# Altium PCB GameBoard_V1I1_Phase1.PcbDoc (part 14 of 18)
Units mm, origin at the board's own origin, x right, y up, seen from the top; angles counter-clockwise.
Board outline 182 x 70.2 mm, 12 copper layers (L1, L2, L3, L4, L5 (PWR), L6 (PWR), L7 (PWR), L8 (PWR), L9, L10, L11, L12), stack 2.079 mm thick; 1542 components, 1068 nets, 5447 pads, 3805 vias.
Unrouted connection lines stored in the file: 2.
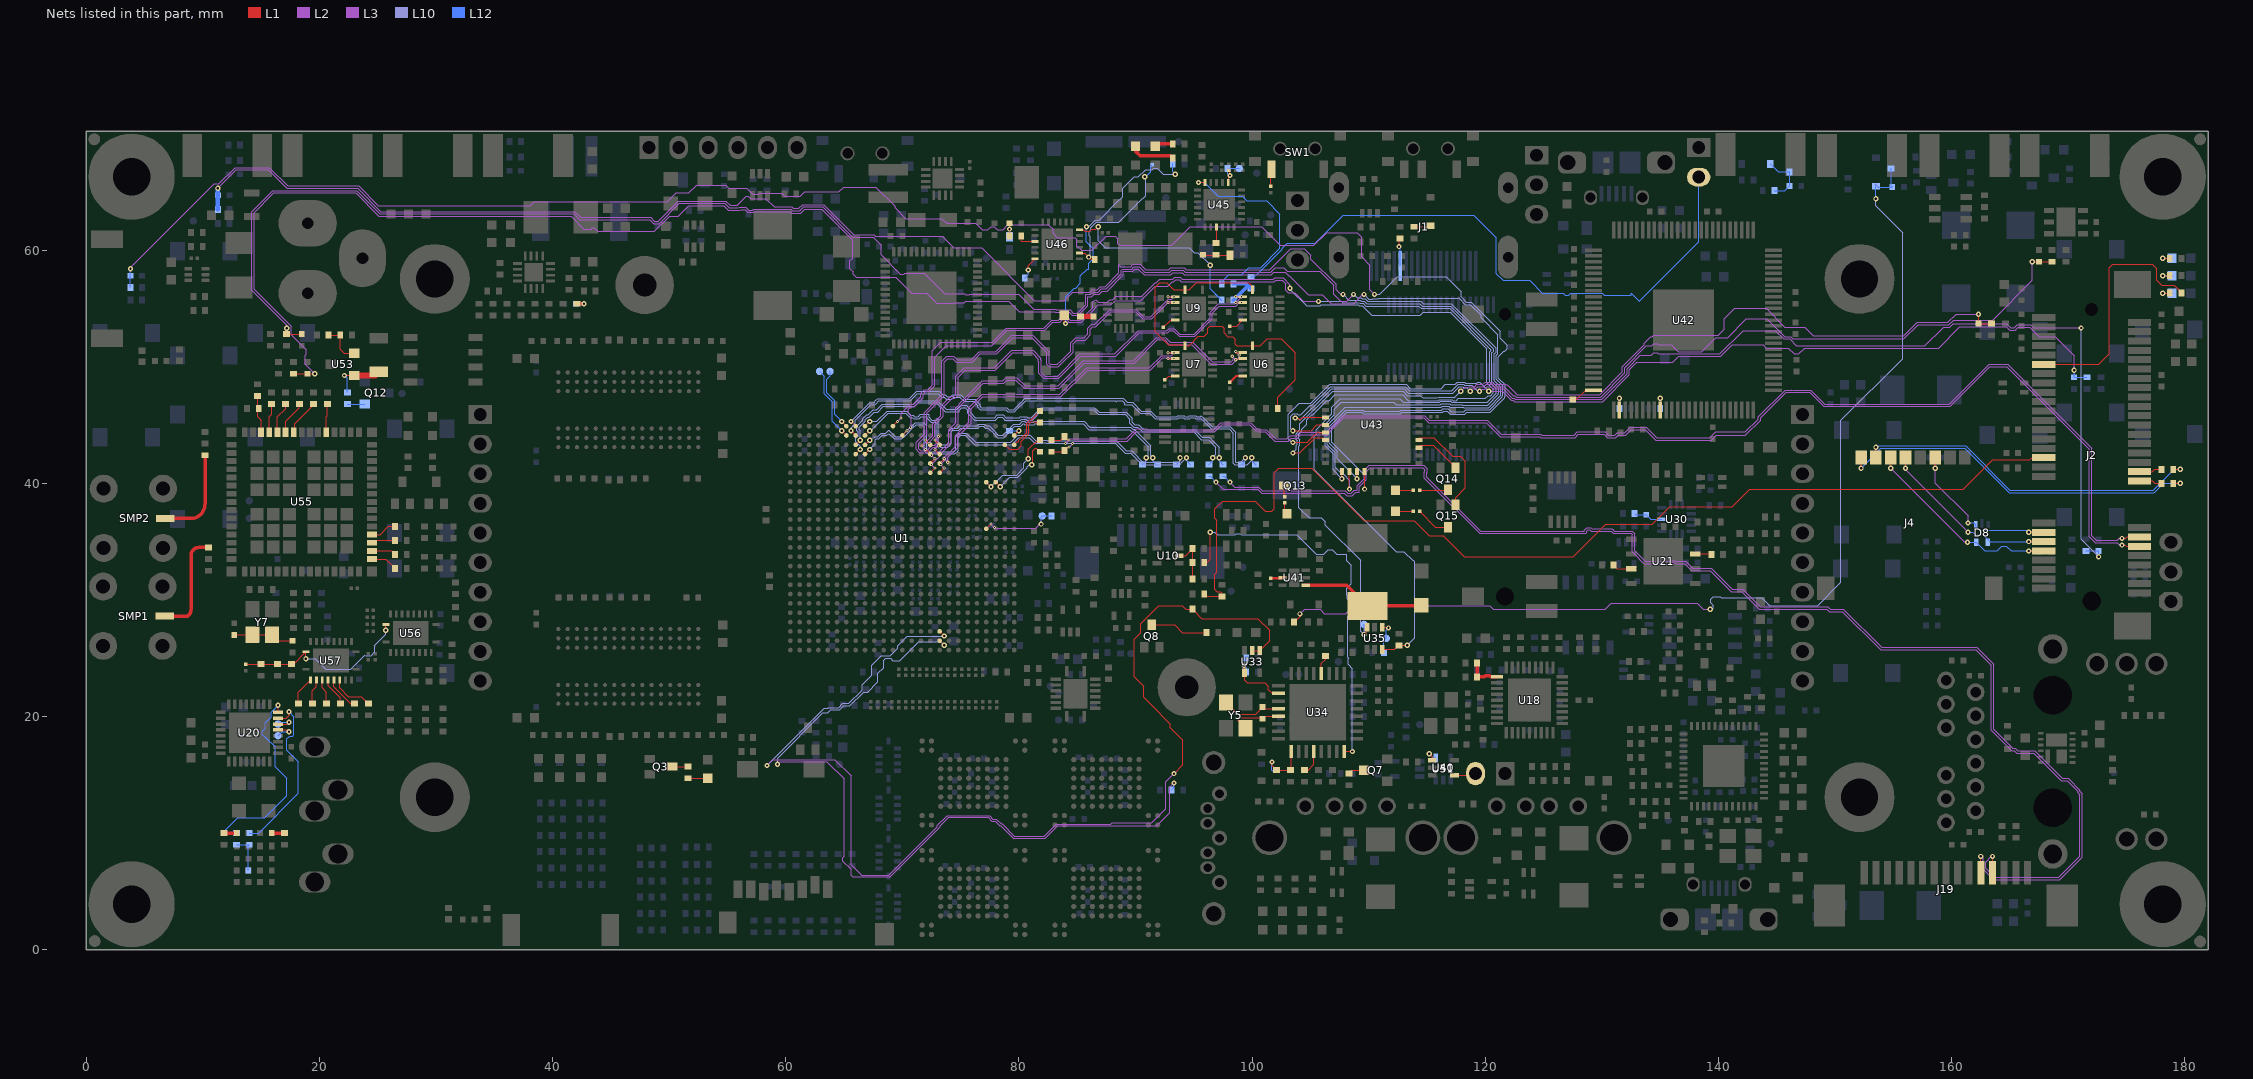
[diagram p24: the nets of this part, all layers, seen from the top]

## Via types
v1: diameter 0.45, hole 0.2, L1 to L12, 1937 vias
v2: diameter 0.45, hole 0.2, L1 to L12, tented both sides, 1004 vias
v3: diameter 0.27, hole 0.1, L1 to L2, 337 vias
v4: diameter 0.27, hole 0.1, L2 to L3, 335 vias
v5: diameter 0.27, hole 0.1, L10 to L11, 96 vias
v6: diameter 0.27, hole 0.1, L11 to L12, 94 vias
v7: diameter 0.27, hole 0.1, L3 to L5 (PWR), 2 vias

## Nets (pads, with @x,y where several pads share a name; then routed paths per layer and width w, separated by ;. In a path a pad name is that pad's centre, name@x,y a point inside that pad or via, vN(x,y) a via of type N, cw(c..) or ccw(c..) an arc to the next point about the centre after c; other vN are vias at no path point) (continued)
LED_MPCIE_WWAN: J2.42 R154.1 | length 21.4
  L1 w0.1: J2.42@167.9,50.2 172.6,50.2 173.5,51.1 173.5,58.5 173.8,58.8 177.2,58.8 177.6,58.4 177.6,57.4 178,57 179.1,57 179.7,56.4 R154.1@179.7,56.3
LED_SW: D27.2 L10.2 U41.4 | length 10.7
  L1 w0.3: U41.4@104.595,31.25 108.129,31.25 L10.2@109.9,29.479 114.454,29.479 D27.2@114.5,29.525
"LOCAL_PWR / NON_REM0": R190.2 R194.2 U18.28 | length 3
  L1 w0.3: R190.2@119.3,24.6 R194.2@119.3,23.4 119.928,23.4 120.003,23.475 120.397,23.475 120.472,23.4 U18.28@121,23.4
LVDS0_CLK_N: R462.1 U1.V4 | length 39.8
  L1 w0.093: U1.V4@66,42.5 v2(66.4,42.9)
  L10 w0.1: v2(66.4,42.9) 66.4,43.17 66.025,43.545 66.025,43.855 66.2,44.03 66.2,44.417 66.1,44.517 66.1,44.883 66.625,45.408 66.625,45.538 66.962,45.875 67.092,45.875 67.517,46.3 67.8,46.3 68.3,46.8 70.987,46.8 71.287,47.1 73,47.1 73.762,46.338 74.675,46.338 75.012,46.675 75.488,46.675 75.825,46.338 75.825,46.075 76.275,45.625 77.912,45.625 78.162,45.875 78.638,45.875 78.888,45.625 80.057,45.625 80.132,45.7 80.67,45.7 80.745,45.625 81.055,45.625 81.93,46.5 86.483,46.5 86.883,46.1 88.5,46.1 ; 88.524,46.1 89.2,46.1 89.735,45.565 89.725,45.555 89.725,45.245 89.945,45.025 90.255,45.025 90.265,45.035 90.7,44.6 95.083,44.6 95.741,43.941 96.345,43.941 97.175,43.112 v1(97.175,42.2)
  L12 w0.1: v1(97.175,42.2) 97.175,41.925 R462.1@97.5,41.6
LVDS0_CLK_P: R464.1 U1.V3 | length 38.3
  L1 w0.093: U1.V3@66,43.3 v2(66.4,43.7)
  L10 w0.1: v2(66.4,43.7) 66.4,44.5 66.3,44.6 66.3,44.8 66.5,45 66.825,45.325 66.825,45.455 67.045,45.675 67.175,45.675 67.6,46.1 67.883,46.1 68.383,46.6 71.07,46.6 71.37,46.9 72.917,46.9 73.679,46.138 74.875,46.138 74.875,46.255 75.095,46.475 75.405,46.475 75.625,46.255 75.625,45.992 76.192,45.425 78.025,45.425 78.025,45.455 78.245,45.675 78.555,45.675 78.775,45.455 78.775,45.425 80.14,45.425 80.215,45.5 80.587,45.5 80.662,45.425 81.138,45.425 82.013,46.3 86.4,46.3 86.8,45.9 89.117,45.9 89.525,45.492 89.525,45.162 89.862,44.825 90.192,44.825 90.276,44.741 90.617,44.4 95,44.4 95.659,43.741 96.263,43.741 96.9,43.104 96.9,42.475 v1(96.625,42.2)
  L12 w0.1: R464.1@96.3,41.6 96.625,41.925 v1(96.625,42.2)
LVDS0_CLK_R_N: J19.11 R461.2 R462.2 | length 110.4
  L1 w0.1: J19.11@162.5,6.6 v1(162.5,8)
  L3 w0.1: v1(98.1,40.1) 98.525,39.675 100.559,39.675 100.89,39.345 107.975,39.345 108.195,39.125 108.505,39.125 108.725,39.345 108.725,39.417 109,39.417 109,39.783 109.6,40.383 109.6,41.083 110.052,41.535 114.701,41.535 115,41.236 115,40.905 114.985,40.89 114.985,40.515 119.6,35.9 128.483,35.9 128.483,35.966 128.717,36.2 129.049,36.2 129.166,36.083 130.883,36.083 131.066,35.9 132.583,35.9 132.8,35.683 132.8,34.2 133.7,33.3 135.787,33.3 135.862,33.375 136.338,33.375 136.413,33.3 137.2,33.3 137.8,32.7 139.383,32.7 141.183,30.9 142.083,30.9 143.583,29.4 149.383,29.4 149.583,29.2 150.7,29.2 153.983,25.917 162.166,25.917 163.6,24.483 163.6,18.9 165.225,17.275 165.438,17.275 165.658,17.055 167.128,17.055 169.483,14.7 169.983,14.7 171,13.683 171,13.569 171.2,13.369 171.2,7.917 169.283,6 163.417,6 163.3,6.117 163.3,6.317 162.7,6.917 162.7,7.8 v1(162.5,8)
  L12 w0.1: R461.2@97.5,40.6 97.6,40.6 v1(98.1,40.1)
LVDS0_CLK_R_P: J19.12 R463.2 R464.2 | length 111
  L1 w0.1: J19.12@163.5,6.6 v1(163.5,8)
  L3 w0.1: v1(96.9,40.1) 97.525,39.475 100.476,39.475 100.807,39.145 107.892,39.145 108.112,38.925 108.588,38.925 108.88,39.217 109.2,39.217 109.2,39.7 109.8,40.3 109.8,41 110.135,41.335 114.618,41.335 114.8,41.153 114.8,40.987 114.785,40.972 114.785,40.432 119.517,35.7 128.617,35.7 128.683,35.766 128.683,35.883 128.8,36 128.966,36 129.083,35.883 130.8,35.883 130.983,35.7 132.5,35.7 132.6,35.6 132.6,34.117 132.8,33.917 133.517,33.2 133.617,33.1 135.87,33.1 135.945,33.175 136.255,33.175 136.33,33.1 137.117,33.1 137.717,32.5 139.3,32.5 141.1,30.7 142,30.7 143.5,29.2 149.3,29.2 149.5,29 150.617,29 153.9,25.717 162.083,25.717 163.4,24.4 163.4,18.817 165.142,17.075 165.355,17.075 165.575,16.855 167.045,16.855 169.4,14.5 169.9,14.5 170.8,13.6 170.8,13.486 171,13.286 171,8 169.2,6.2 163.5,6.2 163.5,6.4 162.9,7 162.9,7.5 163.4,8 v1(163.5,8)
  L12 w0.1: R463.2@96.3,40.6 96.4,40.6 v1(96.9,40.1)
LVDS0_TX0_N: R444.1 U1.U2 | length 32.4
  L1 w0.093: U1.U2@66.8,44.1 v2(67.2,44.5)
  L10 w0.1: v2(67.2,44.5) 67.283,44.5 68.783,46 70.325,46 70.325,45.962 70.662,45.625 70.862,45.625 70.962,45.525 71.438,45.525 71.613,45.7 72.125,45.7 72.125,45.562 72.462,45.225 72.9,45.225 72.9,43.5 73.3,43.1 73.883,43.1 74.2,43.417 74.2,44.4 74.333,44.533 74.833,44.533 75.025,44.725 76.495,44.725 76.645,44.875 76.955,44.875 77.105,44.725 77.375,44.725 77.825,44.275 77.825,44.262 78.162,43.925 78.708,43.925 79.658,44.875 80.155,44.875 80.38,45.1 80.421,45.1 80.496,45.025 81.304,45.025 81.379,45.1 85.5,45.1 86,44.6 89.521,44.6 89.696,44.425 89.792,44.425 91.1,43.117 91.1,42.375 v1(90.925,42.2)
  L12 w0.1: R444.1@90.6,41.6 90.925,41.925 v1(90.925,42.2)
LVDS0_TX0_P: R446.1 U1.U1 | length 32.8
  L1 w0.093: U1.U1@66.8,44.9 v2(67.2,45.3)
  L10 w0.1: v2(67.2,45.3) 67.8,45.3 68.7,46.2 70.525,46.2 70.525,46.045 70.745,45.825 70.945,45.825 71.045,45.725 71.355,45.725 71.53,45.9 72.325,45.9 72.325,45.645 72.545,45.425 72.855,45.425 73.007,45.576 73.1,45.483 73.1,43.583 73.383,43.3 73.8,43.3 74,43.5 74,44.483 74.25,44.733 74.75,44.733 74.942,44.925 76.412,44.925 76.562,45.075 77.038,45.075 77.188,44.925 77.458,44.925 78.025,44.358 78.025,44.345 78.245,44.125 78.625,44.125 79.475,44.975 79.575,45.075 80.072,45.075 80.297,45.3 80.504,45.3 80.579,45.225 81.221,45.225 81.296,45.3 85.583,45.3 86.083,44.8 89.604,44.8 89.779,44.625 89.875,44.625 91.3,43.2 91.3,42.375 v1(91.475,42.2)
  L12 w0.1: v1(91.475,42.2) 91.475,41.925 R446.1@91.8,41.6
LVDS0_TX1_N: R448.1 U1.U4 | length 35.3
  L1 w0.093: U1.U4@66.8,42.5 v2(67.2,42.9)
  L10 w0.1: v2(67.2,42.9) 67.7,43.4 67.7,43.739 67.761,43.8 67.983,43.8 68.283,44.1 68.683,44.1 68.841,44.259 69.3,43.8 69.97,43.8 70.245,44.075 71.045,44.875 71.075,44.875 71.2,45 71.75,45 71.9,44.85 71.9,42.8 72.186,42.514 74.514,42.514 74.8,42.8 74.8,43.917 74.983,44.1 75.417,44.1 76.217,43.3 79.383,43.3 79.983,43.9 80.883,43.9 81.341,43.441 82.038,43.441 82.082,43.485 82.318,43.485 82.362,43.441 88.276,43.441 89.139,42.578 89.6,42.578 90.51,41.668 90.644,41.668 90.687,41.625 90.724,41.625 90.749,41.6 93.783,41.6 94.025,41.842 94.025,41.85 v1(94.375,42.2)
  L12 w0.1: v1(94.375,42.2) 94.375,41.925 R448.1@94.7,41.6
LVDS0_TX1_P: R450.1 U1.U3 | length 34.5
  L1 w0.093: U1.U3@66.8,43.3 v2(67.2,43.7)
  L10 w0.1: v2(67.2,43.7) 67.403,43.904 67.581,43.904 67.678,44 67.9,44 68.2,44.3 68.6,44.3 68.841,44.541 69.383,44 69.887,44 70.162,44.275 70.962,45.075 70.992,45.075 71.117,45.2 71.833,45.2 72.1,44.933 72.1,42.883 72.269,42.714 74.431,42.714 74.6,42.883 74.6,44 74.9,44.3 75.5,44.3 76.3,43.5 79.3,43.5 79.9,44.1 80.966,44.1 81.424,43.641 81.956,43.641 81.999,43.685 82.401,43.685 82.444,43.641 88.359,43.641 89.222,42.778 89.683,42.778 89.717,42.744 89.8,42.744 89.8,42.661 90.593,41.868 90.727,41.868 90.77,41.825 90.807,41.825 90.832,41.8 93.7,41.8 93.825,41.925 v1(93.825,42.2)
  L12 w0.1: R450.1@93.5,41.6 93.825,41.925 v1(93.825,42.2)
LVDS0_TX2_N: R455.1 U1.V2 | length 43
  L1 w0.093: v2(65.6,44.5) U1.V2@66,44.1
  L10 w0.1: v2(65.6,44.5) 65.6,44.77 65.975,45.145 65.975,45.392 67.308,46.725 67.638,46.725 67.755,46.842 67.975,47.062 70.662,47.062 71.3,47.7 73.1,47.7 73.4,47.4 73.587,47.4 73.762,47.225 74.238,47.225 74.413,47.4 74.917,47.4 75.297,47.02 76.117,47.02 76.469,46.669 76.469,46.531 76.7,46.3 78.887,46.3 79.062,46.125 79.625,46.125 79.743,46.243 80.575,47.075 88.283,47.075 88.364,46.994 88.445,47.075 88.855,47.075 89.075,46.855 89.075,46.739 89.661,46.739 90.4,46 91.217,46 91.692,45.525 93.638,45.525 93.713,45.6 94.087,45.6 94.162,45.525 94.638,45.525 94.713,45.6 95.087,45.6 95.162,45.525 95.622,45.525 96.482,44.665 98.035,44.665 98.4,44.3 98.4,42.017 98.404,42.014 98.404,41.731 98.531,41.604 98.814,41.604 98.817,41.6 99.583,41.6 99.975,41.992 v1(99.975,42.2)
  L12 w0.1: v1(99.975,42.2) 99.975,41.925 R455.1@100.3,41.6
LVDS0_TX2_P: R460.1 U1.V1 | length 41.6
  L1 w0.093: v2(65.6,45.3) U1.V1@66,44.9
  L10 w0.1: v2(65.6,45.3) 67.225,46.925 67.555,46.925 67.775,47.145 67.892,47.262 70.579,47.262 71.217,47.9 73.183,47.9 73.483,47.6 73.67,47.6 73.845,47.425 74.155,47.425 74.33,47.6 75,47.6 75.38,47.22 76.28,47.22 76.317,47.183 76.317,47.103 76.669,46.751 76.669,46.614 76.783,46.5 78.97,46.5 79.145,46.325 79.542,46.325 80.317,47.1 80.492,47.275 88.938,47.275 89.274,46.939 89.744,46.939 90.483,46.2 91.3,46.2 91.775,45.725 93.555,45.725 93.63,45.8 94.17,45.8 94.245,45.725 94.555,45.725 94.63,45.8 95.17,45.8 95.245,45.725 95.555,45.725 95.63,45.8 96.565,44.865 98.118,44.865 98.6,44.383 98.6,42.1 98.604,42.096 98.604,41.814 98.614,41.804 98.897,41.804 98.9,41.8 99.025,41.8 v1(99.425,42.2)
  L12 w0.1: R460.1@99.1,41.6 99.425,41.925 v1(99.425,42.2)
LVDS0_TX3_N: TP42.1 U1.W2 | length 6.5
  L1 w0.093: v2(64.8,44.5) U1.W2@65.2,44.1
  L12 w0.1: TP42.1@62.9,49.6 63.3,49.2 63.3,47.7 64,47 64,45.3 v2(64.8,44.5)
LVDS0_TX3_P: TP43.1 U1.W1 | length 5.5
  L1 w0.093: v2(64.8,45.3) U1.W1@65.2,44.9
  L12 w0.1: TP43.1@63.8,49.6 63.8,49.232 63.5,48.933 63.5,47.783 64.2,47.083 64.2,45.9 v2(64.8,45.3)
MCU_BTN: C410.1 D43.1 R287.2 R420.1 | length 91.3
  L1 w0.093: R287.2@103.6,28.1 104.2,28.7 v1(104.1,28.8)
  L3 w0.093: v1(104.1,28.8) 104.5,29.2 105.825,29.2 106.197,28.828 108.036,28.828 108.704,29.496 120.381,29.496 120.699,29.179 130.301,29.179 130.819,29.696 138.181,29.696 138.678,29.2 v1(139.3,29.2)
  L10 w0.093: v1(139.3,29.2) 139.461,29.2 139.561,29.3 139.561,29.514 139.328,29.746 139.328,30.054 139.546,30.272 140.154,30.272 140.225,30.2 143.7,30.2 144.4,29.5 148.5,29.5 150.503,31.503 150.503,45.404 155.8,50.7 155.8,61.5 153.5,63.8 v1(153.5,64.4)
  L12 w0.093: D43.1@153.4,65.681 153.681,65.4 C410.1@154.9,65.4 154.8,65.5 R420.1@154.8,67 ; v1(153.5,64.4) D43.1@153.5,65.481
MCU_GPIO0: R280.1 U34.12 | length 2.1
  L1 w0.1: R280.1@104.5,15.4 104.8,15.4 105.3,15.9 U34.12@105.3,17
MCU_GPIO1: R281.1 U34.28 | length 1.6
  L1 w0.1: U34.28@105.95,23.7 105.95,24.55 106.3,24.9 R281.1@106.3,25.2
MCU_GPIO2: R277.1 R282.1 R283.2 U34.9 | length 5
  L1 w0.1: v1(101.7,16.1) 101.7,15.8 R282.1@102.1,15.4 R277.1@103.3,15.4 103.35,15.45 U34.9@103.35,17
  L12 w0.1: v1(101.7,16.1) 101.7,15.4 101.9,15.2 R283.2@102.1,15.4
MCU_ISPn: R50.1 R273.2 U1.J24 | length 70.2
  L1 w0.093: U1.J24@73.2,26.5 v2(73.6,26.1)
  L3 w0.093: v1(59.3,15.9) 59.497,16.097 63.581,16.097 65,14.678 65,8 64.9,7.9 64.9,7.6 65.6,6.9 65.6,6.4 65.793,6.207 68.934,6.207 73.207,10.48 73.207,10.58 73.924,11.297 77.405,11.297 77.709,10.993 78.007,10.993 78.407,10.593 78.48,10.593 79.537,9.535 82.234,9.535 83.284,10.586 91.786,10.586 92.9,11.7 92.9,13.9 v1(93.3,14.3)
  L10 w0.093: v1(59.3,15.9) 59.304,15.904 59.304,16.431 63.173,20.3 63.6,20.3 63.871,20.571 64.615,20.571 64.966,20.922 65.495,20.922 66.673,22.1 67.025,22.1 67.9,22.975 67.9,23.7 68.4,24.2 68.4,24.825 68.575,25 69,25 69.2,24.8 69.8,24.8 71.4,26.4 73.3,26.4 v2(73.6,26.1)
  L12 w0.093: R273.2@93.1,13.7 93.3,13.9 v1(93.3,14.3)
MCU_RSTINn: R49.1 U1.J23 U33.1 U33.2 | length 101.9
  L1 w0.093: U1.J23@73.2,27.3 v2(73.6,26.9) ; v1(93.3,15.1) 93.325,15.1 94.072,15.846 94.072,17.95 92.996,19.025 92.996,19.348 91.288,21.056 91.291,21.058 90.707,21.642 90.707,22.593 89.9,23.4 89.9,26.622 90.446,27.168 90.446,27.968 91.978,29.5 94,29.5 94.3,29.2 R49.1@94.9,29.2 95.7,28.4 100.5,28.4 101.5,27.4 101.5,26.5 U33.1@100.65,25.65 U33.2@100,25.65
  L3 w0.093: v1(58.4,15.8) 58.89,16.29 64.211,16.29 65.6,14.9 65.6,7.3 66.5,6.4 68.854,6.4 73.014,10.56 73.014,10.66 73.844,11.489 77.485,11.489 77.775,11.2 78.073,11.2 78.487,10.786 78.56,10.786 79.617,9.728 82.154,9.728 83.204,10.779 87.879,10.779 88,10.9 91.4,10.9 92.6,12.1 92.6,14.4 v1(93.3,15.1)
  L10 w0.093: v1(58.4,15.8) 63.3,20.7 63.6,20.7 63.664,20.764 64.535,20.764 64.887,21.115 65.415,21.115 66.558,22.258 66.558,22.712 67.383,23.537 67.383,24.387 68.189,25.193 68.968,25.193 69.615,25.84 69.615,26.073 70.441,26.9 v2(73.6,26.9)
MCU_RSTINn_BUFF: R269.1 R271.1 U33.4 U34.2 | length 6.2
  L1 w0.1: v1(99.3,24.4) 99.35,24.35 U33.4@99.35,23.75 99.375,23.725 99.375,23.125 99.6,22.9 101.1,22.9 101.4,22.6 101.4,22.3 101.725,21.975 U34.2@102.275,21.975
  L12 w0.1: R269.1@99.5,23.8 99.5,24.2 v1(99.3,24.4) 99.5,24.6 R271.1@99.5,25
MCU_RSTOUTn: R93.1 U34.16 | length 34.3
  L1 w0.093: U34.16@107.9,17 v1(108.6,17)
  L1 w0.1: R93.1@95.9,33.2 96.1,33.2 96.4,33.5 v1(96.4,35.8)
  L10 w0.1: v1(96.4,35.8) 96.817,35.8 97.047,35.57 98.539,35.57 98.645,35.675 98.955,35.675 99.061,35.57 100.539,35.57 100.545,35.575 103.825,35.575 105.5,33.9 106.144,33.9 106.537,34.293 106.863,34.293 107.256,33.9 108.1,33.9 108.1,33.367 108.493,32.974 108.493,31.387 108.1,30.994 108.1,30.403 108.168,30.335 108.168,30.083 108.589,29.661 108.589,28.99 108.196,28.597 108.196,25.084 108.284,24.997 108.225,24.938 108.225,24.462 108.6,24.087 v1(108.6,17)
MCU_RSTOUTn_R: R87.1 R93.2 R94.2 U10.2 | length 4
  L1 w0.1: U10.2@93.75,33.8 94.3,33.8 R94.2@94.9,34.4 R93.2@94.9,33.2 R87.1@94.9,31.8
MCU_SWDIO: TP2.1 U1.P1 U35.3 | length 107.1
  L1 w0.093: U1.P1@69.2,44.9 v3(69.6,45.3)
  L1 w0.1: v1(109.6,27) 109.85,27.25 U35.3@109.85,27.65
  L3 w0.1: v4(69.9,45.6) 69.9,46.013 70.662,46.775 70.941,46.775 71.6,47.434 71.6,47.734 71.9,48.034 72.183,48.034 72.575,48.426 72.575,51.375 73.3,52.1 77.717,52.1 78.934,53.317 82.134,53.317 82.817,54 83.387,54 83.662,54.275 84.138,54.275 84.413,54 85.249,54 86.317,55.069 86.317,55.6 86.426,55.6 86.57,55.744 86.788,55.525 87.555,55.525 87.775,55.745 88.032,55.745 88.312,56.025 90.538,56.025 91.713,57.2 91.783,57.2 92.083,57.5 93.187,57.5 93.362,57.675 93.838,57.675 94.013,57.5 101.828,57.5 101.945,57.617 102.666,57.617 103.245,57.038 v1(103.245,56.725)
  L10 w0.1: v1(103.245,56.725) 103.245,56.655 104.675,55.225 105.855,55.225 105.93,55.3 109.121,55.3 109.196,55.225 109.444,55.225 110.269,54.4 114.404,54.4 114.679,54.675 116.976,54.675 120.125,51.526 120.125,48.605 120.675,48.055 120.675,47.745 120.455,47.525 120.242,47.525 119.992,47.275 117.679,47.275 117.504,47.1 117.245,47.1 117.17,47.175 116.03,47.175 115.955,47.1 113.4,47.1 112.9,47.6 107.1,47.6 106.6,47.1 106.397,47.1 105.182,45.885 105.116,45.885 104.7,45.469 104.7,45.052 104.277,44.629 104.277,44.508 104.075,44.306 104.075,44.262 104,44.187 104,43.813 104.075,43.738 104.075,43.262 104,43.187 104,37.917 104.892,37.025 105.938,37.025 106.275,36.688 106.275,36.405 109.3,33.38 109.3,27.3 v1(109.6,27)
  L2 w0.1: v3(69.6,45.3) v4(69.9,45.6)
  L12 w0.1: v1(109.6,27) TP2.1@109.6,27.9
MCU_SWDIO_SEL: R51.1 U1.N2 U35.6 | length 108.6
  L1 w0.1: U1.N2@70,44.1 v3(70.4,44.5) ; U35.6@111.15,25.75 112.25,25.75 R51.1@112.6,26.1 v1(113.3,26.1)
  L3 w0.1: v4(70.7,44.8) 70.775,44.875 70.775,45.795 70.525,46.045 70.525,46.355 70.745,46.575 71.024,46.575 71.8,47.351 71.8,47.651 71.983,47.834 72.266,47.834 72.8,48.369 72.8,50.8 73.775,51.775 77.675,51.775 79.017,53.117 82.217,53.117 82.9,53.8 83.525,53.8 83.525,53.855 83.745,54.075 84.055,54.075 84.275,53.855 84.275,53.8 85.331,53.8 86.517,54.986 86.517,55.03 86.812,55.325 87.895,55.325 88.245,55.675 90.471,55.675 91.696,56.9 92.77,56.9 93.17,57.3 93.27,57.3 93.445,57.475 93.755,57.475 93.93,57.3 101.911,57.3 102.011,57.4 102.6,57.4 102.87,57.13 102.87,56.57 103.089,56.35 103.65,56.35 104.4,55.6 v1(105.7,55.6)
  L10 w0.1: v1(105.7,55.6) 107.683,55.6 107.783,55.5 109.204,55.5 109.279,55.425 109.526,55.425 109.751,55.2 114.304,55.2 114.504,55 116.934,55 120.475,51.459 120.475,51.379 120.325,51.229 120.325,48.688 120.875,48.138 120.875,47.662 120.113,46.9 117.162,46.9 117.087,46.975 116.113,46.975 116.038,46.9 113,46.9 112.7,47.2 107.5,47.2 106.8,46.5 106.8,45.914 105.447,44.561 105.447,44.144 105.3,43.997 105.3,41.2 112.355,34.145 113.025,34.145 113.77,33.4 113.833,33.4 113.9,33.333 113.9,26.7 v1(113.3,26.1)
  L2 w0.1: v3(70.4,44.5) v4(70.7,44.8)
MCU_XTALIN: C330.2 U34.4 Y5.1 | length 5.2
  L1 w0.1: Y5.1@97.75,21.2 98.75,20.2 100.3,20.2 C330.2@100.9,20.8 101.025,20.675 U34.4@102.275,20.675
MCU_XTALOUT: C332.2 U34.5 Y5.3 | length 4.7
  L1 w0.1: Y5.3@99.45,19 98.8,19.65 98.8,19.8 98.9,19.9 100.8,19.9 C332.2@100.9,19.8 101.125,20.025 U34.5@102.275,20.025
MIC_BIAS: C281.1 R206.1 U20.16 | length 17.7
  L1 w0.1: U20.16@16.46,20.35 v1(16.46,20.96)
  L12 w0.1: R206.1@12.9,10 C281.1@11.8,10 11.8,10.1 13,11.3 15.3,11.3 17.2,13.2 17.2,14.7 16.2,15.7 16.2,17.4 15.375,18.225 15.345,18.225 15.125,18.445 15.125,18.755 15.345,18.975 15.375,18.975 15.375,19.445 15.875,19.945 15.875,20.375 v1(16.46,20.96)
MIC_IN: C282.1 U20.15 | length 15
  L1 w0.1: U20.15@16.46,19.85 17.15,19.85 17.4,20.1 v1(17.4,20.4)
  L12 w0.1: C282.1@14,10 14.8,10 18.2,13.4 18.2,16.1 17.2,17.1 17.2,18.075 17.45,18.325 17.725,18.325 17.825,18.425 17.825,19.975 v1(17.4,20.4)
MIC_IN_C: C282.2 FB23.1 R206.2 | length 3.3
  L12 w0.1: R206.2@12.9,9 C282.2@14,9 13.9,8.9 FB23.1@13.9,6.8
MIC_LINEIN_L: TP12.1 U20.14 | length 2
  L1 w0.1: U20.14@16.46,19.35 17.25,19.35 v1(17.4,19.5)
  L12 w0.1: TP12.1@16.46,19.35 16.61,19.5 v1(17.4,19.5)
MIC_LINEIN_R: TP13.1 U20.13 | length 2.1
  L1 w0.1: U20.13@16.46,18.85 17.25,18.85 v1(17.4,18.7)
  L12 w0.1: TP13.1@16.46,18.35 16.81,18.7 v1(17.4,18.7)
MOV_LD: C398.1 R381.1 U43.39 | length 100.9
  L1 w0.1: v1(103.5,44.5) 105.062,44.5 105.562,45 U43.39@106.3,45
  L3 w0.1: v1(119.5,47.9) 119.5,48.03 119.545,48.075 119.945,48.075 120.145,48.275 120.455,48.275 120.63,48.1 121.541,48.1 122.326,47.315 122.471,47.315 122.586,47.2 129.971,47.2 132.154,49.383 132.154,49.837 133.3,50.983 134.253,50.983 134.445,51.175 134.755,51.175 134.83,51.1 140.109,51.1 142.109,53.1 144.862,53.1 145.579,52.383 146.1,52.383 146.683,51.8 157.7,51.8 159.3,53.4 159.849,53.4 160.149,53.7 164.67,53.7 165.045,53.325 165.355,53.325 165.63,53.6 166.766,53.6 167.041,53.325 v1(171.1,53.325)
  L10 w0.1: v1(103.5,44.5) 103.325,44.675 103.325,45.755 103.545,45.975 103.855,45.975 103.955,45.875 104.175,45.875 104.975,46.675 105.106,46.675 106.731,48.3 113.117,48.3 113.492,47.925 117.112,47.925 117.662,48.475 118.138,48.475 118.213,48.4 118.855,48.4 119.355,47.9 v1(119.5,47.9) ; v1(171.1,53.325) 171.1,35.2 v1(172.6,33.7)
  L12 w0.1: R381.1@171.5,34.2 C398.1@172.6,34.2 v1(172.6,33.7)
MOV_LL: C397.1 R383.1 U43.40 | length 83.3
  L1 w0.1: v1(103.5,43.5) 104.717,43.5 105.317,44.1 105.362,44.1 105.662,44.4 105.712,44.35 U43.40@106.3,44.35
  L3 w0.1: v1(120.3,47.9) 121.458,47.9 122.243,47.115 122.388,47.115 122.503,47 130.054,47 132.354,49.3 132.354,49.754 132.975,50.375 136.075,50.375 136.6,50.9 140.192,50.9 141.167,51.875 143.83,51.875 144.105,51.6 146,51.6 146.5,51.1 146.883,51.1 147.383,51.6 158.869,51.6 160.675,53.407 164.68,53.407 164.962,53.125 165.438,53.125 165.713,53.4 166.683,53.4 167.508,52.575 168.874,52.575 170.5,50.949 v1(170.5,49.7) v1@170.5,49.6
  L10 w0.1: v1(103.5,43.5) 103.4,43.5 103.1,43.8 103.1,45.93 104.045,46.875 105.023,46.875 106.648,48.5 113.2,48.5 113.575,48.125 116.208,48.125 116.583,48.5 117.404,48.5 117.579,48.675 118.221,48.675 118.296,48.6 119.283,48.6 119.358,48.675 119.525,48.675 v1(120.3,47.9)
  L12 w0.1: v1(170.5,49.7) C397.1@170.5,49.1 R383.1@171.6,49.1
MOV_LR: C396.1 R388.1 U43.41 | length 74.5
  L1 w0.1: v1(103.5,42.6) 104.1,42.6 105.4,43.9 106.1,43.9 U43.41@106.3,43.7 ; v1(162.3,54.5) C396.1@162.3,53.7 R388.1@163.4,53.7
  L3 w0.1: v1(117.9,47.9) 118.216,48.216 118.486,48.216 118.57,48.3 119.087,48.3 119.262,48.475 119.779,48.475 119.979,48.675 120.621,48.675 120.796,48.5 121.706,48.5 121.756,48.45 121.901,48.45 122.751,47.6 129.805,47.6 131.754,49.549 131.754,50.002 133.625,51.874 133.625,52.004 134.196,52.575 134.326,52.575 134.451,52.7 140,52.7 140.5,53.2 140.5,54.1 141.4,55 144.1,55 145.7,53.4 147.4,53.4 148.134,52.666 155.9,52.666 157.034,53.8 159.683,53.8 160.383,54.5 v1(162.3,54.5)
  L10 w0.1: v1(103.5,42.6) 103.8,42.9 103.8,43.27 103.875,43.345 103.875,43.655 103.8,43.73 103.8,44.27 103.875,44.345 103.875,44.389 104.077,44.591 104.077,45.111 104.5,45.534 104.5,45.552 105.223,46.275 105.272,46.275 106.897,47.9 112.951,47.9 113.326,47.525 114.43,47.525 114.638,47.317 115.89,47.317 115.948,47.375 117.252,47.375 117.31,47.317 117.317,47.317 v1(117.9,47.9)
MOV_LU: C399.1 R380.1 U43.38 | length 78.1
  L1 w0.1: v1(103.7,45.6) 103.9,45.6 104.1,45.4 104.35,45.65 U43.38@106.3,45.65 ; v1(166.9,59) C399.1@167.5,59 R380.1@168.6,59
  L3 w0.1: v1(118.7,47.9) 118.9,48.1 119.17,48.1 119.345,48.275 119.862,48.275 120.062,48.475 120.538,48.475 120.713,48.3 121.624,48.3 122.409,47.515 122.554,47.515 122.669,47.4 129.888,47.4 131.954,49.466 131.954,49.92 133.825,51.791 134.26,51.791 134.445,51.975 134.755,51.975 134.83,51.9 135.933,51.9 136.533,51.3 138.57,51.3 139.77,52.5 140.8,52.5 142.4,54.1 144.145,54.1 145.662,52.583 146.183,52.583 146.383,52.383 155.9,52.383 157.117,53.6 159.766,53.6 160.166,54 163.5,54 166.9,57.4 v1(166.9,59)
  L10 w0.1: v1(103.7,45.6) 103.883,45.6 104.083,45.4 104.3,45.617 104.3,45.634 105.141,46.475 105.189,46.475 106.814,48.1 113.034,48.1 113.409,47.725 117.195,47.725 117.745,48.275 118.055,48.275 118.13,48.2 118.4,48.2 v1(118.7,47.9)